# KiCad board Ashwing66_allkeys.kicad_pcb (continued)
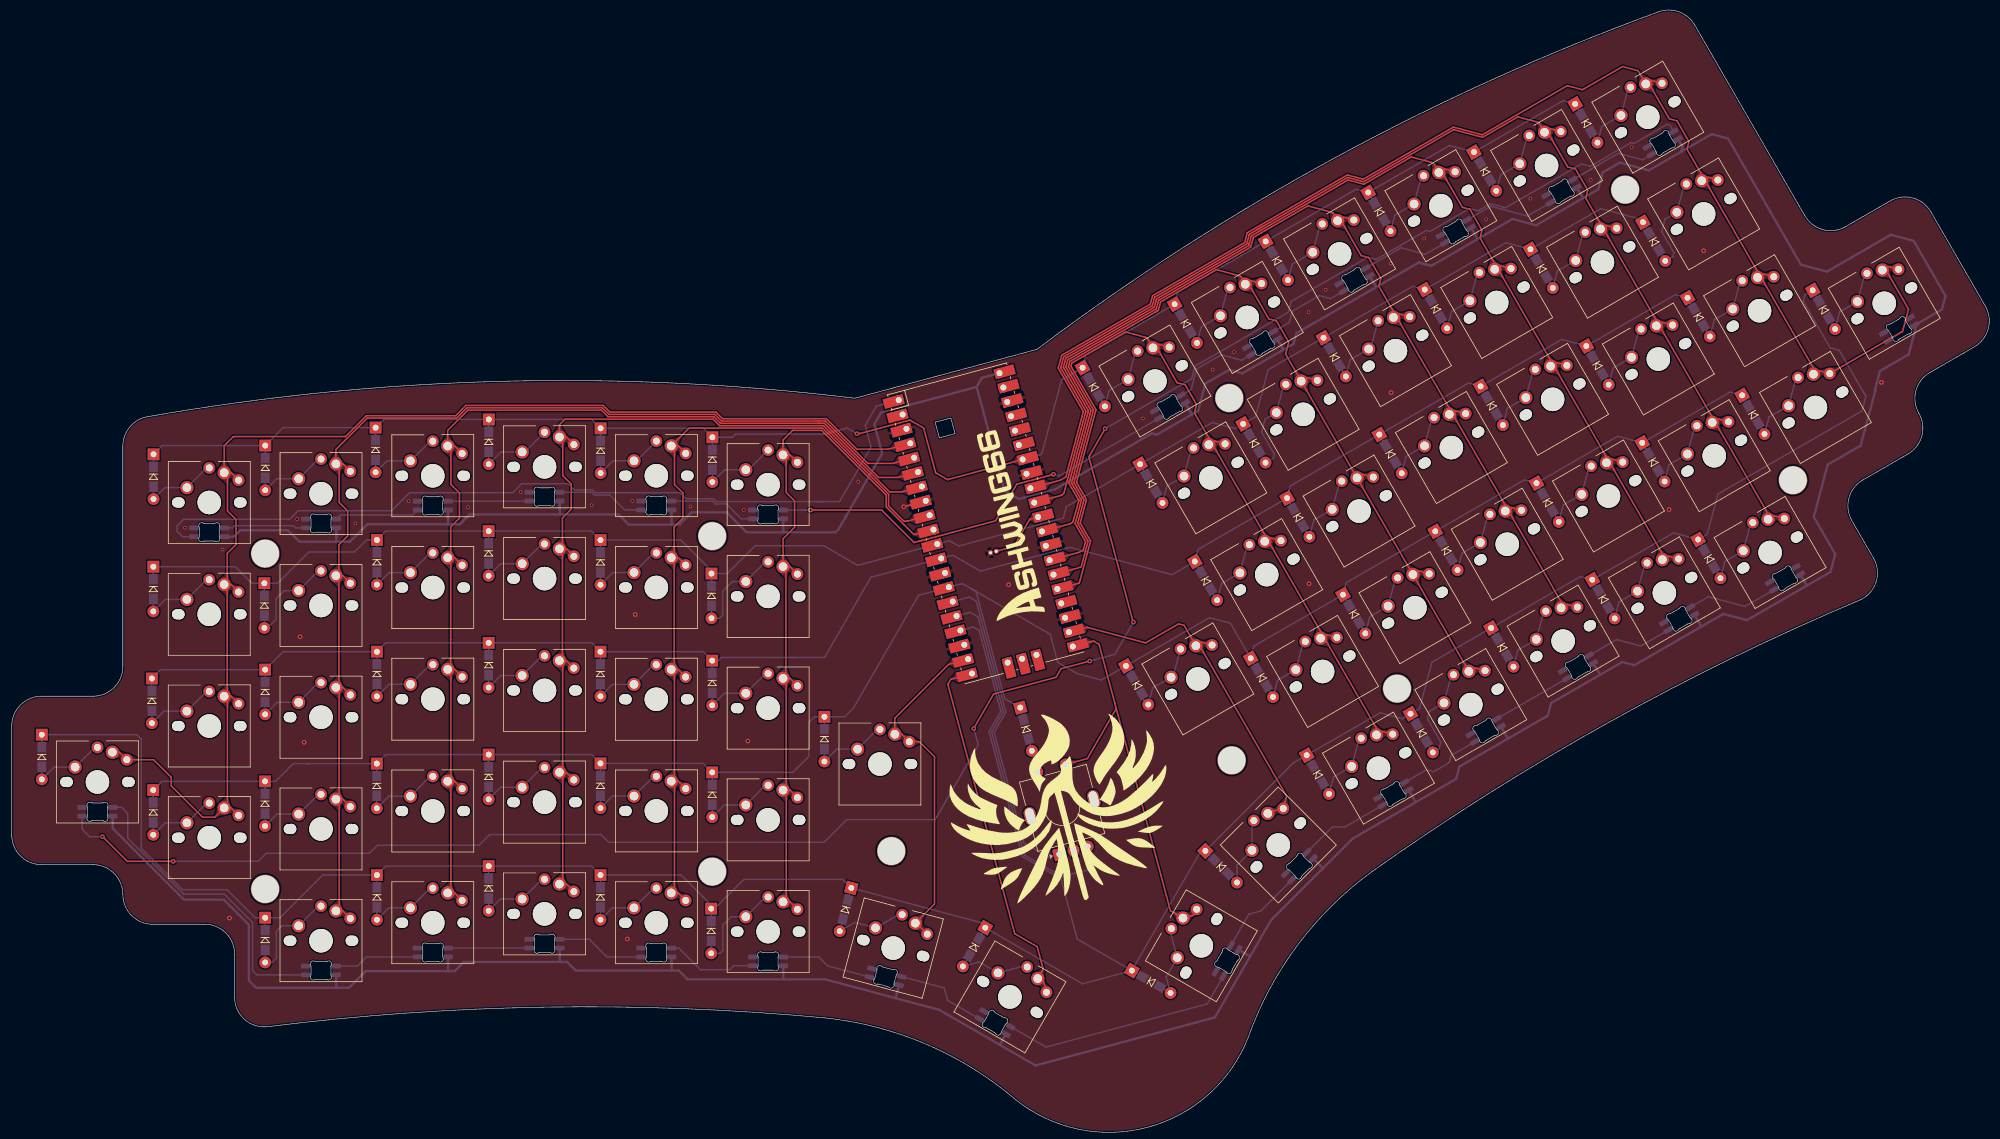
[diagram p0: board, top side]
## Routing (per net, layer and track width the routed paths; a pad name or vN(x,y) marks a point on that pad's centre or on a via; arc(x,y) is an arc through that point)
GND: length 6.1
  Top w0.15: pico.8 155.79,107.67
  Top w0.25: v2(152.05,106.65) 152.06,106.67 pico.8
  Bottom w0.25: v2(181.56,45.91) RotEnc.C
  vias: v1(29.54,103.08) v1(35.93,99.36) v1(48.65,104.56) v1(58.56,103.8) v1(67.64,107.62) v1(77.8,106.58) v1(86.74,109.14) v1(98.85,106.92) v1(105.79,107.65) v1(115.7,106.71) v1(124.79,106.11) v1(144.28,110.9) v1(192.82,121.72) v1(204.71,130.04) v1(208.34,133.05) v1(221.07,139.83) v1(223.96,143.65) v1(235.03,148.12) v1(240.74,152.39) v1(251.33,155.69) v1(258.86,159.19) v1(269.14,162.38) v1(276.12,167.96) v2(37.11,36.53) v2(49.16,84.49) v2(49.84,66.51) v2(104.92,32.97) v2(106.28,88.28) v2(125.46,66.71) v2(169.93,93.37) v2(221.13,93.53) v2(235.12,126.12) v2(282.5,106.17) v2(288.4,150.31) v2(318.7,127.86)
VBUS: length 853.1
  Top w0.25: 168.36,129.43 pico.40
  Bottom w0.25: 177.83,109.63 177.82,109.62 ; 154.32,124.37 148.51,122.81 ; 177.04,109.42 177.04,109.42 172.49,108.2 172.48,108.18 ; 172.22,108.11 172.74,108.25 ; 143.03,106.48 143.03,106.47
  Bottom w0.4: 165.37,128.64 164.47,127.09 ; 165.37,128.64 164.69,127.46 ; 165.37,128.64 pico.40 ; 164.47,127.09 152.71,123.94 ; 164.47,127.09 169.22,109.38 171.66,107.97 172.74,108.25 ; 267.8,159.26 259.82,154.65 255.8,155.73 249.91,152.32 ; 267.8,159.26 270.41,160.77 271.18,163.65 274.08,165.33 279.03,164 284.55,167.19 ; 267.8,159.26 267.81,159.3 266.78,161.09 ; 55.35,101.48 55.31,101.52 55.31,103.06 55.31,100.72 55.29,100.7 ; 143.03,106.48 148.37,115.74 147.03,120.73 148.18,122.72 148.51,122.81 ; K60#2.6 17.21,51.82 29.37,39.66 36.14,39.66 40.42,35.38 40.42,25.88 41.65,24.65 55.35,24.65 ; K65.6 74.36,27.63 74.5,27.49 ; 305.95,93.2 310,95.54 310.82,98.59 307.15,104.94 309.54,113.84 315.14,117.08 317.67,126.53 317.59,126.55 317.58,126.58 318.44,129.8 323.33,132.63 324.56,137.21 K44#2.6 329,140.29 329.61,142.59 324.19,151.99 320.3,153.03 309.4,146.74 304.96,147.93 292.55,169.44 289.75,170.19 284.55,167.19 ; 305.95,93.2 295.75,87.32 291.74,88.4 288.11,86.3 ; 305.95,93.2 305.96,93.24 K75.6 ; K73.6 270.74,78.02 270.74,78.02 ; 177.04,109.42 177.83,109.63 194.35,119.17 195.17,118.95 201.18,122.41 ; 36.26,101.56 37.88,101.56 38.98,102.66 46.53,102.66 ; 168.44,14.91 168.43,14.94 K69.6 ; 168.44,14.91 174.51,11.41 205.08,19.6 205.08,19.61 211.1,30.04 ; 168.44,14.91 158.05,20.91 158.04,20.9 150.7,22.87 ; 249.91,152.32 241.95,147.73 241.17,147.93 ; 249.91,152.32 249.84,152.34 248.75,154.23 ; 214.63,36.15 214.63,36.13 ; 214.63,36.15 211.1,30.04 ; 214.63,36.15 223.51,45.04 ; 270.74,78.02 274.52,80.2 276.58,79.65 288.11,86.3 ; 270.74,78.02 262.39,73.19 261.81,71.05 255.09,67.17 ; 288.11,86.3 287.94,86.35 K74.6 ; 131.63,26.08 115.21,26.08 113.71,27.58 112.45,27.58 ; 131.63,26.08 131.52,26.19 K68.6 ; 131.63,26.08 138.7,26.08 150.7,22.87 ; K66.6 93.41,29.06 93.41,29.05 ; 239.32,56.29 246.19,60.26 246.75,62.35 255.09,67.17 ; 239.32,56.29 228.6,50.11 228.59,50.11 223.51,45.04 ; 239.32,56.29 239.3,56.3 K71.6 ; 112.47,106.12 112.47,103.62 112.48,103.61 ; 284.55,167.19 284.77,168.03 284.02,169.33 ; 131.6,102.3 130.83,102.3 125.26,102.3 121.86,105.7 121.48,105.7 115.88,105.7 113.79,103.61 112.48,103.61 ; 131.6,102.3 131.52,102.38 131.52,104.6 ; 131.6,102.3 140.38,102.3 140.95,102.87 142.09,104.85 142.27,105.16 ; 143.03,106.47 142.27,105.16 ; 142.27,105.16 141.99,104.67 ; 200.02,124.33 201.12,122.43 201.18,122.41 ; 55.35,24.65 57.48,24.65 60.32,27.49 74.5,27.49 ; 55.35,24.65 55.31,24.69 K64.6 ; 112.45,27.58 96.12,27.58 94.65,29.05 93.41,29.05 ; 112.45,27.58 112.46,27.6 K67.6 ; 93.41,29.05 77.06,29.05 75.5,27.49 74.5,27.49 ; 215.76,135.18 216.51,133.87 216.63,133.67 216.53,133.3 ; 46.53,102.66 47.07,102.66 49.03,100.7 55.29,100.7 ; 46.53,102.66 46.85,102.66 ; 211.1,30.04 211.04,30.03 K70.6 ; 150.7,22.87 150.66,22.94 K69#2.6 ; 201.18,122.41 202.22,123.01 203.46,127.66 207.52,130 209.78,129.4 216.53,133.3 ; 232.57,144.1 232.58,144.14 231.49,146.01 232.24,144.71 ; 232.57,144.1 218.98,136.26 218.49,134.43 216.53,133.3 ; 232.57,144.1 239.83,148.29 241.17,147.93 ; 223.51,45.04 K70#2.6 ; 74.36,106.11 74.36,104.93 ; 74.36,104.93 74.36,104.55 ; 74.36,104.93 74.36,103.72 74.41,103.67 ; 55.29,100.7 57.64,100.7 60.61,103.67 74.41,103.67 ; 112.48,103.61 105.16,103.61 103.42,105.35 93.43,105.35 ; 93.43,105.35 93.41,105.37 93.41,107.63 93.41,106.18 93.43,106.16 ; 93.43,105.35 78.05,105.35 76.37,103.67 74.41,103.67 ; 255.09,67.17 255,67.19 K72.6 ; 239.93,148.27 241.17,147.93 ; 215.37,134.95 215.44,134.83
(no net): length 274.3
  Bottom w0.25: K69.5 176.29,14.54 203.78,21.91 K70.4 ; K69.4 159.51,22.5 158.95,24.61 K69#2.5 ; K74.4 277.66,82.92 273.55,84.02 K73.5 ; K67.5 113.72,31.41 117.38,27.74 122.39,27.74 123.05,28.4 K68.4 ; K75.4 295.42,89.65 289.21,91.32 K74.5 ; K72.4 245.35,64.26 245.02,63.03 242.34,61.48 241.12,61.81 K71.5 ; K67.4 101.47,29.91 98.45,32.92 K66.5 ; K73.4 253.11,70.49 K72.5 ; K70.5 210.88,37.21 212.87,37.74 212.87,37.74 K70#2.4 ; K71.4 227.25,52.07 225.08,52.07 K70#2.5 ; K68.5 137.56,29.9 139.08,28.38 K69#2.4 ; K60#2.5 18.74,55.41 19.77,54.37 19.77,50.16 29.33,40.61 36.21,40.61 41.04,35.78 41.04,27.56 41.76,26.85 K64.4 ; K65.4 60.47,29.91 58.89,28.33 58.88,28.35 K64.5 ; K66.4 74.38,31.42 K65.5
Col_0: length 224.5
  Top w0.25: 136.86,121.68 121.15,121.68 120.03,122.8 101.96,122.8 100.84,123.93 77.39,123.93 75.65,122.18 60.44,122.18 56.89,118.63 37.93,118.63 37.91,118.6 37.76,118.6 36.21,117.06 36.21,112.47 ; 136.86,121.68 138.86,121.68 140.76,119.78 144.06,116.48 149.42,116.48 pico.4 ; 136.86,121.68 136.96,121.68 ; 38.67,111.19 37.39,112.47 36.21,112.47 ; K48.1 37.39,55.32 K48.1 ; K48.1 34.63,53.73 32.53,53.73 27.18,59.08 27.18,60.53 24.18,63.53 K60#2.1 18.33,64.81 K60#2.1 ; K48.1 36.76,55.87 36.76,73.79 K32.1 ; K16.1 37.38,93.4 K16.1 ; K16.1 36.73,92.88 36.74,83 36.73,74.88 K32.1 ; K16.1 36.73,93.93 36.73,98.71 38.23,100.21 38.23,104.48 36.78,105.93 36.78,111.9 36.21,112.47 ; K32.1 37.38,74.35 K32.1
Col_1: length 197.9
  Top w0.25: K17.1 56.43,94.9 K17.1 ; K33.1 56.43,75.85 K33.1 ; 55.76,76.34 55.76,81.87 55.76,81.87 55.76,81.88 55.76,94.34 ; 140.16,119.81 138.69,121.28 137.41,121.28 120.99,121.28 119.86,122.4 101.8,122.4 100.67,123.53 77.59,123.53 75.84,121.78 60.61,121.78 55.26,116.43 55.26,113.97 56.44,113.97 57.72,112.69 ; 140.16,119.81 145.92,114.05 150.36,114.05 150.39,114.11 pico.5 ; 140.16,119.81 140.36,119.61 ; K64.1 56.43,37.75 K64.1 55.81,38.31 55.81,56.24 K49.1 56.43,56.8 K49.1 ; 55.8,75.25 55.8,57.33 ; 55.76,95.39 55.76,100.17 57.26,101.67 57.26,105.94 55.81,107.39 55.81,113.36
Col_2: length 179.9
  Top w0.25: 74.81,98.43 74.81,103.22 76.31,104.72 76.31,108.99 74.86,110.44 74.86,116.41 ; pico.6 151.04,111.65 150.96,111.65 147.75,111.65 139.82,119.59 ; 76.77,115.74 75.49,117.02 74.31,117.02 74.31,119.68 77.76,123.13 100.51,123.13 101.63,122 119.7,122 120.82,120.88 137.56,120.88 ; 137.56,120.88 138.53,120.88 139.82,119.59 ; 137.56,120.88 137.73,120.88 ; 139.82,119.59 139.96,119.45 ; 74.81,79.38 74.81,84.02 74.81,84.02 74.81,84.03 74.81,97.39 ; K50.1 75.49,59.87 K50.1 74.86,59.31 74.86,41.37 K65.1 75.49,40.82 K65.1 ; K18.1 75.49,97.97 K18.1 ; 74.85,60.38 74.85,78.3 74.32,78.84 K34.1 75.5,78.93 K34.1
Col_3: length 159.4
  Top w0.25: 139.37,119.47 138.36,120.48 120.66,120.48 119.53,121.6 94.31,121.6 93.36,120.66 93.36,118.54 94.54,118.54 95.82,117.26 ; 139.37,119.47 139.56,119.28 ; 139.37,119.47 149.66,109.18 151.57,109.19 151.82,109.23 pico.7 ; 95.82,98.21 94.54,99.49 K19.1 ; K51.1 94.53,61.38 K51.1 93.91,60.82 93.91,42.89 K66.1 94.53,42.33 K66.1 ; 93.86,99.96 93.86,104.74 95.36,106.24 95.36,110.52 93.91,111.97 93.91,117.93 ; K35.1 94.53,80.43 K35.1 ; 93.9,79.83 93.9,61.9 ; 93.86,98.91 93.86,80.91
Col_4: length 143.1
  Top w0.25: 112.91,98.43 112.9,102.64 112.91,103.22 114.41,104.72 114.41,108.99 112.96,110.44 112.96,116.41 ; 138.9,119.37 139.16,119.12 ; 138.9,119.37 149.46,108.82 149.46,106.8 152.06,104.2 152.58,104.2 152.59,104.2 152.75,104.23 pico.9 ; 138.9,119.37 138.2,120.08 115.46,120.08 112.42,117.03 113.6,117.03 114.88,115.75 ; K36.1 113.59,78.92 K36.1 ; K20.1 113.6,97.98 K20.1 ; 112.91,97.39 112.91,79.38 ; 112.95,78.3 112.95,60.38 ; K52.1 113.6,59.88 K52.1 112.96,59.33 112.96,41.37 K67.1 113.59,40.82 114.87,39.54
Col_5: length 129.1
  Top w0.25: 131.76,115.65 131.61,115.65 131.47,115.5 ; 131.47,115.5 132.65,115.5 133.93,114.22 ; 131.47,115.5 132.01,114.96 132.01,109.09 133.43,107.66 133.43,103.16 131.47,101.2 K21.1 132.65,96.45 K21.1 ; 131.47,115.5 131.47,118.04 133.11,119.68 138.03,119.68 138.66,119.05 ; pico.10 154.06,101.94 153.76,101.93 149.06,106.64 149.06,108.65 138.66,119.05 ; K37.1 132.65,77.4 K37.1 ; 138.66,119.05 138.76,118.95 ; K68.1 132.65,39.3 K68.1 132.01,39.85 132.01,57.81 K53.1 132.65,58.35 K53.1 ; 131.96,95.87 131.96,77.86 ; 132,76.78 132,58.85
  Bottom w0.25: K21.1 133.96,95.17
Col_6: length 60.3
  Top w0.25: 156.99,77.09 159.66,79.75 159.67,79.78 pico.19 ; 156.99,77.09 157.18,77.28 ; 156.99,77.09 154.83,74.93 150.53,70.62 K60.1 151.71,67.88 K60.1 154.73,66.6 157.29,64.05 157.29,38.94 K69#2.1 154.19,35.67 K69#2.1
Col_7: length 62.2
  Top w0.25: 175.49,27.27 175.56,27.4 ; 175.49,27.27 K69.1 175.9,25.63 K69.1 ; 175.49,27.27 175.81,27.83 174.79,31.66 170.96,33.87 159.57,76.39 160.07,77.26 pico.20
Col_8: length 77
  Top w0.25: K70.1 201.39,37.01 K70.1 ; 188.27,72.25 183.35,63.73 RotEnc.S1 ; 188.27,72.25 188.04,73.09 185.33,83.21 184.36,83.77 pico.21 ; 188.27,72.25 197.51,37.77 K70.1 ; K70.1 199.62,36.62 ; K70.1 198.35,37.29 ; pico.21 183.82,83.59 183.94,83.58 ; pico.21 182.01,83.49
Col_9: length 63.2
  Top w0.25: K44.1 202.6,82.76 210.58,68.93 217.3,57.31 K70#2.1 214.18,54.53 K70#2.1 ; K44.1 199.83,86.44 198.88,86.7 193.25,83.45 183.56,86.04 183.3,86.11 pico.22 ; K44.1 202.86,83.55 K44.1
Col_10: length 154.6
  Top w0.25: K22.1 205.07,117.84 K22.1 ; K71.1 233.64,68.35 K71.1 232.83,68.54 223.89,84.03 K54.1 ; K22.1 204.26,118.04 201.59,122.66 201.97,124.06 200.02,127.44 198.62,127.81 195.32,133.54 194.52,133.75 ; K22.1 204.83,117.04 213.78,101.54 K38.1 ; K38.1 214.59,101.35 K38.1 ; K38.1 214.35,100.55 223.31,85.04 K54.1 ; pico.25 181.81,93.6 181.98,93.7 183.89,100.81 183.02,102.32 182.12,103.88 183.19,107.88 181.49,110.82 183.39,117.89 184.74,122.93 184.81,123.21 180.54,130.61 180.69,131.17 189.84,136.46 193.53,135.48 194.52,133.75 ; 194.52,133.75 195.54,134.34 197.29,133.87 ; K54.1 224.12,84.83 K54.1
Col_11: length 171.4
  Top w0.25: K55.1 238.82,95.1 K39.1 ; K55.1 239.85,95.69 K55.1 ; K55.1 248.36,78.6 K72.1 249.38,79.18 K72.1 ; 184.38,123.13 184.38,123.15 180.11,130.56 180.34,131.44 194.98,139.89 ; 184.38,123.13 181.06,110.76 182.76,107.82 181.69,103.83 183.46,100.77 182.29,96.43 181.57,96.16 ; 184.38,123.13 184.38,123.14 ; 210.26,144.6 210.97,144.4 214.27,138.69 215.57,138.35 217.67,134.71 217.12,132.69 K23.1 ; 210.26,144.6 209.46,145.97 205.33,147.08 195.83,141.59 195.44,140.16 194.98,139.89 ; 210.26,144.6 211.28,145.19 213.03,144.72 ; K39.1 230.33,112.18 K39.1 ; K39.1 K23.1 ; 194.98,139.89 195.43,140.15 ; 181.57,96.17 pico.26 ; K23.1 220.8,128.67 K23.1
Col_12: length 190.5
  Top w0.25: K24.1 236.21,138.74 245.23,123.12 K40.1 ; K24.1 235.7,139.62 233.02,144.27 233.37,145.56 231.31,149.13 230.01,149.47 226.68,155.24 225.99,155.43 ; K24.1 236.54,139.52 K24.1 ; K40.1 245.74,122.23 254.75,106.62 K56.1 ; K40.1 246.07,123.01 K40.1 ; 228.76,155.55 227.01,156.02 225.99,155.43 ; K56.1 255.59,106.52 K56.1 ; K56.1 255.26,105.75 264.15,90.36 263.96,89.66 K73.1 265.12,90.01 K73.1 ; 180.63,110.7 183.79,122.49 183.95,123.08 179.67,130.49 180,131.7 195.1,140.42 195.48,141.85 211.18,150.92 211.63,152.59 212.98,153.37 220.92,157.95 225.2,156.8 225.99,155.43 ; 180.63,110.7 182.33,107.77 181.26,103.77 183.03,100.71 182.63,99.24 181.92,98.9 181.91,98.88 pico.27 ; 180.63,110.7 180.71,110.58
Col_13: length 205.6
  Top w0.25: 210.84,151.18 211.28,152.85 212.9,153.78 227.77,162.37 230.47,161.64 238.53,166.3 242.31,165.28 243.25,163.65 ; 210.84,151.18 195.14,142.12 194.76,140.68 179.94,132.13 179.66,131.97 179.25,130.43 179.33,130.29 183.52,123.03 183.44,122.74 180.2,110.65 181.9,107.71 180.86,104.02 180.44,103.75 180.41,103.74 pico.29 ; 210.84,151.18 210.99,151.76 ; K41.1 263.32,131.23 K41.1 ; K41.1 262.99,130.45 272.01,114.83 K57.1 ; K41.1 262.49,131.33 253.46,146.97 K25.1 ; 243.25,163.65 243.93,163.46 247.26,157.71 248.55,157.36 250.62,153.79 250.27,152.49 252.96,147.83 K25.1 ; 243.25,163.65 244.27,164.24 246.02,163.77 ; K57.1 272.85,114.74 K57.1 ; K57.1 272.51,113.97 281.54,98.33 K74.1 282.37,98.23 K74.1 ; K25.1 253.8,147.74 K25.1
Col_14: length 221.4
  Top w0.25: K26.1 271.82,154.61 K26.1 ; K26.1 270.97,154.64 268.28,159.29 268.64,160.62 266.55,164.23 265.22,164.59 261.91,170.33 261.28,170.5 ; K26.1 271.42,153.85 280.49,138.14 K42.1 ; K42.1 281.35,138.1 K42.1 ; K75.1 300.4,105.12 K75.1 299.54,105.15 290.47,120.86 K58.1 ; 264.05,170.62 262.3,171.09 261.28,170.5 ; K42.1 280.96,137.34 290.02,121.65 K58.1 ; 261.28,170.5 260.32,172.16 256.73,173.13 250.69,169.64 245.79,170.95 230.41,162.07 227.71,162.8 212.3,153.9 ; 180.05,128.19 178.8,130.35 179.31,132.23 194.41,140.95 194.8,142.38 210.49,151.44 210.94,153.11 213.35,154.5 ; K58.1 290.87,121.61 K58.1 ; 180.05,128.19 183.08,122.94 179.33,108.94 178.93,108.63 178.89,108.6 pico.31
Col_15: length 246.2
  Top w0.25: K44#2.1 319.86,147.6 K44#2.1 319.58,146.82 323.31,140.35 322.29,136.55 322.14,136.46 322.14,136.45 K59.1 308.12,129.84 K59.1 307.29,129.97 298.46,145.27 297.74,145.47 K43.1 ; K43.1 298.59,146.34 K43.1 ; K43.1 297.76,146.44 288.75,162.06 K27.1 ; K27.1 289.07,162.83 K27.1 ; K27.1 288.24,162.96 285.54,167.62 285.89,168.9 283.84,172.45 282.53,172.8 279.21,178.56 278.52,178.74 ; 281.29,178.86 279.54,179.33 278.52,178.74 ; 278.52,178.74 277.23,180.99 274.56,181.7 268.05,177.94 267.72,177.75 265.14,178.45 250.63,170.07 245.73,171.38 230.36,162.5 227.66,163.23 212.07,154.23 210.6,153.38 210.15,151.71 194.45,142.64 194.07,141.21 178.96,132.49 178.38,130.3 178.63,129.85 182.65,122.89 179.67,111.73 178.73,111.19 178.73,111.18 pico.32
LED1: length 145
  Bottom w0.25: 137.07,107.53 120.13,107.53 119.64,108.02 114.92,108.02 113.88,109.06 99.42,109.06 98.94,109.53 95.85,109.53 94.8,110.58 86.93,110.58 85.4,109.06 67.83,109.06 64.75,105.98 48.83,105.98 47.35,104.51 29.28,104.51 28.18,103.41 28.18,102.51 29.12,101.56 K0.4 ; 137.07,107.53 138.38,107.53 ; 137.07,107.53 141.1,107.53 141.12,107.56 146.47,116.83 145.48,120.53 147.38,123.82 pico.1
LED2: length 14.1
  Bottom w0.25: K1.4 48.41,103.06 48.05,103.42 37.96,103.42 37.6,103.06 36.26,103.06
LED3: length 14.5
  Bottom w0.25: K2.4 68.31,105.25 56,105.25 55.31,104.56
LED4: length 13.9
  Bottom w0.25: 74.36,107.61 88.19,107.61 K3.4
LED5: length 15.1
  Bottom w0.25: K4.4 104.48,106.12 101.94,108.66 99.25,108.66 98.78,109.13 93.41,109.13
LED6: length 15.1
  Bottom w0.25: 112.47,107.62 119.47,107.62 119.96,107.13 121.82,107.13 124.36,104.6 K5.4
LED7: length 76
  Top w0.25: v2(136.13,106.1) 148.26,106.1 153.77,100.59 153.83,100.55 155.66,101.04 ; 177.49,112.16 177.5,112.16 v2(177.56,112.19) 177.48,112.15 174.62,111.39 171.3,110.5 167.7,104.27 160.27,102.28 155.66,101.04 ; 155.66,101.04 154.6,100.76
  Bottom w0.25: 131.52,106.1 136.13,106.1 v2(136.13,106.1) ; v2(136.13,106.1) 136.11,106.07 ; v2(136.13,106.1) 134.56,106.1 ; K6.4 178.53,111.93 v2(177.56,112.19)
LED8: length 16
  Bottom w0.25: K7.4 209.61,131.63 206.13,132.56 201.98,130.16 201.04,126.65 199.27,125.63
LED9: length 15
  Bottom w0.25: 226.98,143.39 K8.4 224.78,142.13 222.86,142.65 218.28,140 217.76,138.07 215.01,136.48 215.02,136.48
LED10: length 15.1
  Bottom w0.25: 230.74,147.31 236.81,150.81 240.92,149.71 K9.4
LED11: length 15.7
  Bottom w0.25: K10.4 258.34,156.22 252.09,157.89 252.09,157.89 248,155.53
LED12: length 20.5
  Bottom w0.25: 270.71,165.09 266.03,162.39 273.85,166.9 277.93,165.81 K11.4
LED13: length 356.6
  Top w0.25: v2(183.74,80.36) 178.85,79.05 178.01,77.59 167.36,74.74 163.95,68.83 v2(163.98,68.84) 163.97,68.87 164.02,68.95 ; 191.17,86.91 191.16,86.94 v2(191.19,86.99) 191.14,87.02 183.6,115.17 v2(186.37,119.97) ; v2(27.53,46.21) 19.69,46.21 15.49,50.41 v2(15.46,50.41) 15.46,50.44 15.45,50.45
  Bottom w0.25: 208.92,134.81 201.69,130.63 201.11,128.47 192.9,123.73 v2(186.37,119.97) ; 208.92,134.81 217.59,139.81 218.09,141.67 231.14,149.21 232.57,148.83 241.13,153.77 241.77,153.6 241.78,153.63 248.49,157.5 249.94,157.11 252.03,158.32 254.61,157.63 267.55,165.1 269.04,164.7 276.04,168.74 276.54,168.61 282.18,171.86 282.63,171.74 283.27,170.62 ; 208.92,134.81 208.72,134.69 208.71,134.68 ; v2(191.19,86.99) 188.01,81.49 183.75,80.35 v2(183.74,80.36) 183.73,80.35 183.71,80.34 ; 27.5,46.22 27.52,46.22 v2(27.53,46.21) 27.54,46.22 42.01,46.22 43.37,47.58 60.98,47.58 62.34,48.94 79.65,48.94 81.47,50.76 100.44,50.76 101.75,49.45 138.45,49.45 142.32,53.32 157.4,53.32 164.73,66.02 v2(163.98,68.84) ; v2(15.46,50.41) 13.26,50.41 12.01,51.67 K60#2.4
NET-(DEXT-A): length 13.9
  Bottom w0.25: K69.2 172.7,28.42 K69.2 164.91,29.04 D69#2.2 D69#2.2
ROT_BUT: length 11.8
  Bottom w0.15: D69#3.2 D69#3.2 174.83,61.48 RotEnc.ROTIN 174.86,61.53
  Bottom w0.25: RotEnc.ROTIN 174.83,61.48 D69#3.2 D69#3.2
ROT_IN: length 54.1
  Bottom w0.25: pico.15 163.21,91.25 164.39,90.57 169.45,71.66 167.45,68.2 172.46,49.5 172.46,49.49 172.49,49.35 176.68,46.93 RotEnc.A
ROT_OUT: length 62.9
  Bottom w0.25: pico.16 163.36,88.66 164.69,87.89 169.02,71.72 167.02,68.24 172.63,47.28 179.01,43.59 183.92,44.91 184.26,45.5 RotEnc.B
Row_0: length 308.7
  Top w0.25: pico.34 159.54,111.3 159.53,111.27 157.48,112.46 155.44,120.08 153.1,121.43 144.18,119.04 v2(144.05,119.11)
  Bottom w0.25: D8.1 D8.1 ; D8.1 198.77,143.26 D7.1 ; D8.1 229.14,160.8 D9.1 ; D10.1 264.43,175.89 D11.1 D11.1 ; D10.1 D10.1 ; D10.1 245.05,168.23 D9.1 ; 138.59,119.04 123.37,119.04 122.83,118.5 D5.1 ; 138.59,119.04 142.41,120.06 v2(144.05,119.11) ; 138.59,119.04 138.42,119.03 138.41,119.03 138.41,119.03 ; 24.88,115.59 D0.1 ; D0.1 25.67,117.09 D1.1 ; D0.1 D0.1 ; D3.1 63.4,121.54 D2.1 ; D3.1 98.86,121.54 D4.1 ; D3.1 D3.1 ; D7.1 183.08,132.46 D6.1 ; D7.1 D7.1 ; D6.1 178.96,128.32 178.8,127.71 175.62,115.86 175.45,115.56 pico.34 175.31,115.52 ; D6.1 D6.1 ; D4.1 117.9,120.02 D5.1 ; D4.1 D4.1 ; D2.1 46.28,120.15 D1.1 ; D2.1 D2.1 ; D9.1 D9.1 ; D5.1 D5.1 ; D1.1 D1.1
Row_1: length 312.7
  Bottom w0.25: D26.1 270.87,157.49 277.76,155.64 D27.1 D27.1 ; D26.1 254.69,151.68 D25.1 ; D26.1 D26.1 ; D19.1 63.76,102.51 D18.1 ; D19.1 D19.1 ; D19.1 98.82,102.51 D20.1 ; D21.1 D21.1 ; D21.1 121.99,95.27 126.72,100.01 131.9,100.01 131.91,100.02 132.33,100.02 138.41,100.02 138.43,99.99 143.63,96.99 144.19,96.67 pico.11 159.85,100.86 161.43,99.95 179.21,104.72 179.27,104.83 179.76,106.66 D22.1 ; D21.1 119.27,95.74 114.04,100.97 D20.1 ; D18.1 D18.1 ; D18.1 60.47,101 58.41,98.94 50.66,98.94 45.33,93.62 D17.1 ; D20.1 D20.1 ; D23.1 212.01,122 214.15,130.02 D24.1 ; D23.1 D23.1 ; D23.1 208.51,119.99 204.64,121.02 D22.1 ; D17.1 40.91,93.62 38.1,96.44 D16.1 D16.1 ; D17.1 D17.1 ; D25.1 D25.1 ; D25.1 238.78,144.24 D24.1 ; D22.1 D22.1 ; D22.1 192.25,113.6 ; D24.1 D24.1
Row_2: length 317.2
  Bottom w0.25: D38.1 D38.1 ; D38.1 197.76,95.08 180.46,99.71 179.98,99.67 165.1,95.68 160.42,98.39 pico.12 146.45,94.64 145.13,92.36 138.56,80.98 138.54,80.96 133.16,80.96 ; D38.1 202.2,99.38 D39.1 ; D41.1 D41.1 ; D41.1 248.3,127.74 D40.1 ; D41.1 264.21,135.18 D42.1 ; 133.16,80.96 133.49,80.96 ; 133.16,80.96 130.14,80.96 120.98,80.96 120.45,80.42 D37.1 ; D40.1 217.93,110.2 D39.1 ; D40.1 D40.1 ; D35.1 D35.1 ; D35.1 98.84,83.46 D36.1 ; D35.1 63.76,83.46 D34.1 ; D33.1 46.25,81.95 D34.1 ; D33.1 D33.1 ; D33.1 25.39,78.89 D32#3.1 D32#3.1 ; D36.1 117.87,81.95 D37.1 ; D36.1 D36.1 ; D34.1 D34.1 ; D37.1 D37.1 ; D42.1 283.59,142.83 D43.1 D43.1 ; D42.1 D42.1 ; D39.1 D39.1
Row_3: length 385.3
  Bottom w0.15: 169.26,73.94 D69#3.1 D69#3.1
  Bottom w0.25: D32#2.1 136.83,70.85 135.86,69.88 135.86,64.1 133.94,62.17 ; D32#2.1 141.96,70.85 143.49,72.38 153.56,89.82 154.57,91.56 pico.14 162.05,93.56 163.47,92.74 163.47,92.73 ; D32#2.1 D32#2.1 ; D49.1 D49.1 ; D49.1 44.98,59.85 48.01,62.87 51.02,62.87 ; D49.1 25.62,59.85 D48.1 D48.1 ; 163.47,92.73 177.01,84.92 178.29,80.14 181.64,78.2 185.72,77.11 D44.1 ; 163.47,92.73 164.41,92.19 ; 163.47,92.73 164.42,92.19 ; 163.47,92.73 164.36,92.22 169.26,73.94 D69#3.1 D69#3.1 ; D50.1 51.02,62.87 ; D50.1 63.76,64.41 D51.1 ; D50.1 D50.1 ; 51.02,62.87 50.16,62.87 ; D52.1 117.87,62.9 D53.1 ; D52.1 98.84,64.41 D51.1 ; D52.1 D52.1 ; D44.1 204.15,87.75 204.2,87.73 207.74,86.79 D54.1 ; D44.1 190.58,79.14 D44.1 ; D55.1 211.73,82.91 D54.1 ; D55.1 D55.1 ; D55.1 227.46,93.71 D56.1 ; 133.94,62.17 133.14,61.37 D53.1 ; 133.94,62.17 133.68,61.91 ; D58.1 292.89,126.21 D59.1 D59.1 ; D58.1 D58.1 ; D58.1 273.74,118.68 D57.1 ; D56.1 D56.1 ; D56.1 257.83,111.24 D57.1 ; D54.1 D54.1 ; D57.1 D57.1 ; D53.1 D53.1 ; D51.1 D51.1
Row_4: length 522.8
  Bottom w0.25: D73.1 267.36,94.77 D74.1 ; D73.1 D73.1 ; D73.1 242.08,80.17 239.96,72.27 D72.1 ; D74.1 D74.1 ; D74.1 283.24,102.2 D75.1 ; pico.17 163.88,86.17 164.9,85.58 164.97,85.32 168.59,71.78 166.59,68.3 172.29,47.01 178.85,43.22 181.61,32.95 D70#2.1 ; D72.1 236.96,70.53 233.24,71.53 D71.1 ; D72.1 D72.1 ; D69.1 141.65,43.13 124.79,43.13 119.81,38.15 D68.1 ; D69.1 D69.1 ; D69.1 165.49,35.67 D69#2.1 ; D70#2.1 D70#2.1 ; D70#2.1 182.51,25.33 D69#2.1 ; D70#2.1 202.55,47.74 D70.1 ; D64.1 45.73,36.59 53.01,43.87 D65.1 ; D64.1 D64.1 ; D64.1 41.45,36.59 36.69,41.36 29.14,41.36 22.07,48.43 22.07,67.07 21.34,67.8 D32.1 D32.1 ; D68.1 119.22,38.73 114.08,43.87 D67.1 ; D68.1 D68.1 ; D70.1 218.5,63.03 D71.1 ; D70.1 D70.1 ; 315.97,125.59 311.51,133.32 309.95,133.74 305.36,141.69 305.66,142.8 D44#2.1 D44#2.1 ; 315.97,125.59 316.04,125.48 315.37,123 290.82,108.82 288.99,101.97 D75.1 ; 315.97,125.59 315.48,126.44 ; D71.1 D71.1 ; D65.1 D65.1 ; D65.1 63.77,45.4 D66.1 ; D75.1 D75.1 ; D69#2.1 D69#2.1 ; D67.1 98.82,45.4 D66.1 ; D67.1 D67.1 ; D66.1 D66.1
RUN: length 10
  Top w0.25: RESET.2 170.82,99.88 173.5,104.52 pico.30
  Bottom w0.25: 167.83,99.05 RESET.2
Net-(D0-A): length 13.8
  Bottom w0.25: D0.2 D0.2 26.12,109.93 29.86,109.93 33.22,113.29 33.67,113.29
Net-(D1-A): length 13.8
  Bottom w0.25: D1.2 D1.2 45.17,111.43 48.91,111.43 52.27,114.79 52.72,114.79
Net-(D2-A): length 14.1
  Bottom w0.25: 71.77,117.84 71.32,117.84 67.96,114.48 ; 67.96,114.48 63.96,114.48 D2.2 D2.2
Net-(D3-A): length 13.9
  Bottom w0.25: D3.2 D3.2 83.4,116 87.01,116 87.46,116 90.82,119.36
Net-(D4-A): length 13.9
  Bottom w0.25: D4.2 D4.2 102.46,114.49 106.07,114.49 106.52,114.49 109.88,117.85
Net-(D5-A): length 13.9
  Bottom w0.25: D5.2 D5.2 121.51,112.96 125.12,112.96 125.57,112.96 128.93,116.32
Net-(D6-A): length 13.9
  Bottom w0.25: 191.91,133.19 191.52,132.97 190.29,128.38 187.07,126.51 D6.2 D6.2
Net-(D7-A): length 13.9
  Bottom w0.25: D7.2 D7.2 202.76,137.33 206.03,139.22 207.26,143.81 207.65,144.04
Net-(D8-A): length 14.2
  Bottom w0.25: 223.38,154.87 222.99,154.64 221.76,150.05 218.27,148.04 D8.2 D8.2
Net-(D9-A): length 13.9
  Bottom w0.25: D9.2 D9.2 235.75,156.38 239.02,158.27 240.25,162.86 240.64,163.09
Net-(D10-A): length 13.9
  Bottom w0.25: 258.67,169.94 258.28,169.72 257.05,165.13 253.77,163.24 D10.2 D10.2
Net-(D11-A): length 13.9
  Bottom w0.25: 275.91,178.18 275.52,177.96 274.29,173.37 271.02,171.48 D11.2 D11.2
Net-(D16-A): length 13.9
  Bottom w0.25: D16.2 D16.2 26.19,90.86 K16.2 33.21,94.22 K16.2
Net-(D17-A): length 17.8
  Bottom w0.25: D17.2 D17.2 43.58,86 45.04,87.46 45.04,90.97 46.44,92.36 K17.2 52.26,95.72 K17.2
Net-(D18-A): length 13.9
  Bottom w0.25: D18.2 D18.2 64.29,95.43 K18.2 71.32,98.79 K18.2
Net-(D19-A): length 13.9
  Bottom w0.25: D19.2 D19.2 83.35,96.95 K19.2 90.37,100.31 K19.2
Net-(D20-A): length 13.9
  Bottom w0.25: K20.2 109.43,98.8 K20.2 102.44,95.44 D20.2 D20.2
Net-(D21-A): length 20.7
  Bottom w0.25: D21.2 D21.2 ; D21.2 120.65,87.65 121.18,88.18 121.18,92.26 122.84,93.91 K21.2 ; D21.2 120.62,87.65 ; K21.2 128.48,97.27 125.99,94.79 ; 125.99,94.79 K21.2 ; 125.99,94.79 K21.2
Net-(D22-A): length 13.6
  Bottom w0.25: D22.2 D22.2 196.92,110.2 K22.2 201.05,116.47 K22.2
Net-(D23-A): length 18.4
  Bottom w0.25: D23.2 D23.2 215.05,114.96 215.21,115.59 213.04,119.36 213.64,121.61 215.55,122.71 216.78,127.3 K23.2
Net-(D24-A): length 14.1
  Bottom w0.25: K24.2 231.68,133.78 K24.2 228.17,131.75 D24.2 ; D24.2 227.36,128.72 ; D24.2 D24.2
Net-(D25-A): length 13.9
  Bottom w0.25: D25.2 D25.2 245.43,139.97 K25.2 249.78,146.36 K25.2
Net-(D26-A): length 13.9
  Bottom w0.25: K26.2 267.8,153.23 K26.2 263.45,146.84 D26.2 D26.2
Net-(D27-A): length 18.2
  Bottom w0.25: D27.2 D27.2 283.13,149.31 283.31,149.98 281.23,153.58 281.8,155.71 K27.2 285.05,161.46 K27.2
Net-(D32-A): length 14.1
  Bottom w0.25: K32.2 33.21,75.17 K32.2 25.93,71.81 D32#3.2 D32#3.2
Net-(D33-A): length 13.9
  Bottom w0.25: D33.2 D33.2 45.24,73.31 K33.2 52.26,76.67 K33.2
Net-(D34-A): length 13.9
  Bottom w0.25: K34.2 71.33,79.75 K34.2 64.31,76.39 D34.2 D34.2
Net-(D35-A): length 13.9
  Bottom w0.25: K35.2 90.36,81.25 K35.2 83.34,77.89 D35.2 D35.2
Net-(D36-A): length 13.9
  Bottom w0.25: D36.2 D36.2 102.39,76.38 K36.2 ; 106.06,76.38 109.42,79.74 K36.2
Net-(D37-A): length 13.9
  Bottom w0.25: K37.2 128.48,78.22 K37.2 121.46,74.86 D37.2 D37.2
Net-(D38-A): length 13.9
  Bottom w0.25: K38.2 210.57,99.97 K38.2 206.23,93.58 D38.2 D38.2
Net-(D39-A): length 13.9
  Bottom w0.25: K39.2 226.31,110.8 K39.2 221.95,104.41 D39.2 D39.2
Net-(D40-A): length 13.9
  Bottom w0.25: K40.2 242.04,121.63 K40.2 237.69,115.24 D40.2 D40.2
Net-(D41-A): length 13.9
  Bottom w0.25: D41.2 D41.2 254.95,123.46 K41.2 259.3,129.85 K41.2
Net-(D42-A): length 13.9
  Bottom w0.25: K42.2 277.33,136.72 K42.2 272.97,130.33 D42.2 D42.2
Net-(D43-A): length 13.9
  Bottom w0.25: K43.2 294.57,144.96 K43.2 290.22,138.57 D43.2 D43.2
Net-(D44-A): length 27.9
  Bottom w0.25: D44.2 193.05,73.32 D44.2 194.49,75.79 K44.2 198,77.82 K44.2 ; D44#2.2 D44#2.2 311.57,139.89 K44#2.2 315.83,146.23 K44#2.2
Net-(D48-A): length 13.9
  Bottom w0.25: K48.2 33.22,56.14 K48.2 26.17,52.78 D48.2 D48.2
Net-(D49-A): length 13.9
  Bottom w0.25: K49.2 52.26,57.62 K49.2 45.21,54.26 D49.2 D49.2
Net-(D50-A): length 13.9
  Bottom w0.25: D50.2 D50.2 64.29,57.33 K50.2 71.32,60.69 K50.2
Net-(D51-A): length 13.9
  Bottom w0.25: D51.2 D51.2 83.34,58.84 K51.2 90.36,62.2 K51.2
Net-(D52-A): length 13.9
  Bottom w0.25: K52.2 109.43,60.7 K52.2 102.41,57.34 D52.2 D52.2
Net-(D53-A): length 13.9
  Bottom w0.25: D53.2 D53.2 121.46,55.81 K53.2 128.48,59.17 K53.2
Net-(D54-A): length 13.9
  Bottom w0.25: D54.2 D54.2 215.75,77.07 K54.2 220.1,83.46 K54.2
Net-(D55-A): length 13.9
  Bottom w0.25: K55.2 235.83,94.32 K55.2 231.49,87.93 D55.2 D55.2
Net-(D56-A): length 13.9
  Bottom w0.25: K56.2 251.57,105.15 K56.2 247.22,98.76 D56.2 D56.2
Net-(D57-A): length 13.9
  Bottom w0.25: K57.2 268.83,113.37 K57.2 264.48,106.98 D57.2 D57.2
Net-(D58-A): length 13.9
  Bottom w0.25: D58.2 D58.2 282.5,113.85 K58.2 286.85,120.24 K58.2
Net-(D59-A): length 14.6
  Bottom w0.25: D59.2 D59.2 299.53,121.94 K59.2 304.1,128.46 ; 304.1,128.46 K59.2 304.1,128.46
Net-(D60-A): length 27.7
  Bottom w0.25: K60#2.2 14.16,65.63 K60#2.2 7.22,62.27 D32.2 D32.2 ; K60.2 147.54,68.7 K60.2 140.63,65.34 D32#2.2 D32#2.2
Net-(D61-A): length 13.9
  Bottom w0.25: D70#2.2 D70#2.2 196.78,26.51 K70.2 197.44,34.36 K70.2
Net-(D64-A): length 18.3
  Bottom w0.25: K64.2 52.26,38.57 K64.2 46.03,35.21 45.11,34.3 45.11,29.72 44.37,28.97 D64.2 D64.2
Net-(D65-A): length 13.9
  Bottom w0.25: D65.2 D65.2 64.27,38.28 K65.2 71.32,41.64 K65.2
Net-(D66-A): length 13.8
  Bottom w0.25: K66.2 90.36,43.15 K66.2 83.31,39.79 D66.2 D66.2
Net-(D67-A): length 13.9
  Bottom w0.25: D67.2 D67.2 102.37,38.28 K67.2 ; 109.87,41.64 109.42,41.64 106.06,38.28
Net-(D68-A): length 18.3
  Bottom w0.25: D68.2 D68.2 120.73,30.53 121.22,31.02 121.2,31.04 121.2,35.3 122.67,36.76 K68.2 128.48,40.12 K68.2
Net-(D69-A): length 14.7
  Bottom w0.25: D69.2 143.71,35.8 K69#2.2 151.34,37.23 K69#2.2 ; D69.2 141.68,34.86 ; D69.2 D69.2
Net-(D70-A): length 13.9
  Bottom w0.25: K70#2.2 211.4,52.84 K70#2.2 208.85,45.54 D70.2 D70.2
Net-(D71-A): length 13.9
  Bottom w0.25: K71.2 229.62,66.98 K71.2 225.31,60.61 D71.2 D71.2
Net-(D72-A): length 18.5
  Bottom w0.25: D72.2 D72.2 243.28,65.38 243.59,66.55 241.3,70.5 241.65,71.78 K72.2 245.36,77.81 K72.2
Net-(D73-A): length 13.9
  Bottom w0.25: D73.2 D73.2 256.73,82.24 K73.2 261.09,88.64 K73.2
Net-(D74-A): length 13.9
  Bottom w0.25: D74.2 D74.2 273.98,90.45 K74.2 278.35,96.86 K74.2
Net-(D75-A): length 13.9
  Bottom w0.25: K75.2 296.38,103.74 295.15,99.15 ; K75.2 292.02,97.35 D75.2 D75.2

## Copper pours and planes (outline as drawn; the poured copper is in the pictures)
GND on Top, Bottom: 323.22,115.66 325.58,118.74 325.08,122.6 324.57,126.45 326.94,129.54 334.54,133.93 336.9,137.01 336.4,140.87 327.12,156.93 324.03,159.3 320.18,158.79 312.58,154.4 308.72,153.89 305.64,156.26 286.87,188.78 284.22,191.02 280.75,191.05 225.62,166.18 174.74,133.48 143.69,125.15 83.28,128.03 23.11,122 20.12,120.24 18.94,116.97 18.94,79.43 17.46,75.84 13.86,74.35 5.09,74.35 1.49,72.86 0.01,69.27 0,50.72 1.49,47.13 5.08,45.64 13.86,45.64 17.45,44.15 20.43,36.96 24.02,35.48 32.91,35.48 36.5,33.99 37.99,30.4 37.99,23.03 39.64,19.3 43.5,18 90.97,21.35 138.53,19.52 155.89,15.02 171.13,5.57 193.63,0.86 210.77,16.2 219.24,32.01 232.02,44.58 272.3,69.95 315.09,90.79 317.78,93.84 317.34,97.89 313.66,104.27 313.15,108.13 315.52,111.21

Small or netless copper shapes (teardrops, artwork), in the pictures only: 294 on Top, 773 on Bottom

## Text on the board
B.Silkscreen: BOOT | RUN GND | Model: Ashwing66 - (Choc V1/MX) / Designed by: James Gzowski (github.com/gzowski) | 01  Pi Pico Controller / 66  1N4148 / 1N4148W Diodes / 66  Choc V1 / MX Switches / 66  1U Keycaps / 12  SK6812 MINI-E LED's / 01  EC11 Rotary Encoder
